# Altium PCB 202101904XB(公开).PcbDoc (part 1 of 6)
Units mil, origin at the board's own origin, x right, y up, seen from the top; angles counter-clockwise.
Board outline 5834.66 x 3390.86 mil, 10 copper layers (Top, GND_02, sig_03, GND04, sig_05, PWR06, GND07, sig_08, GND09, Bottom); 610 components, 281 nets, 2214 pads, 1000 vias.
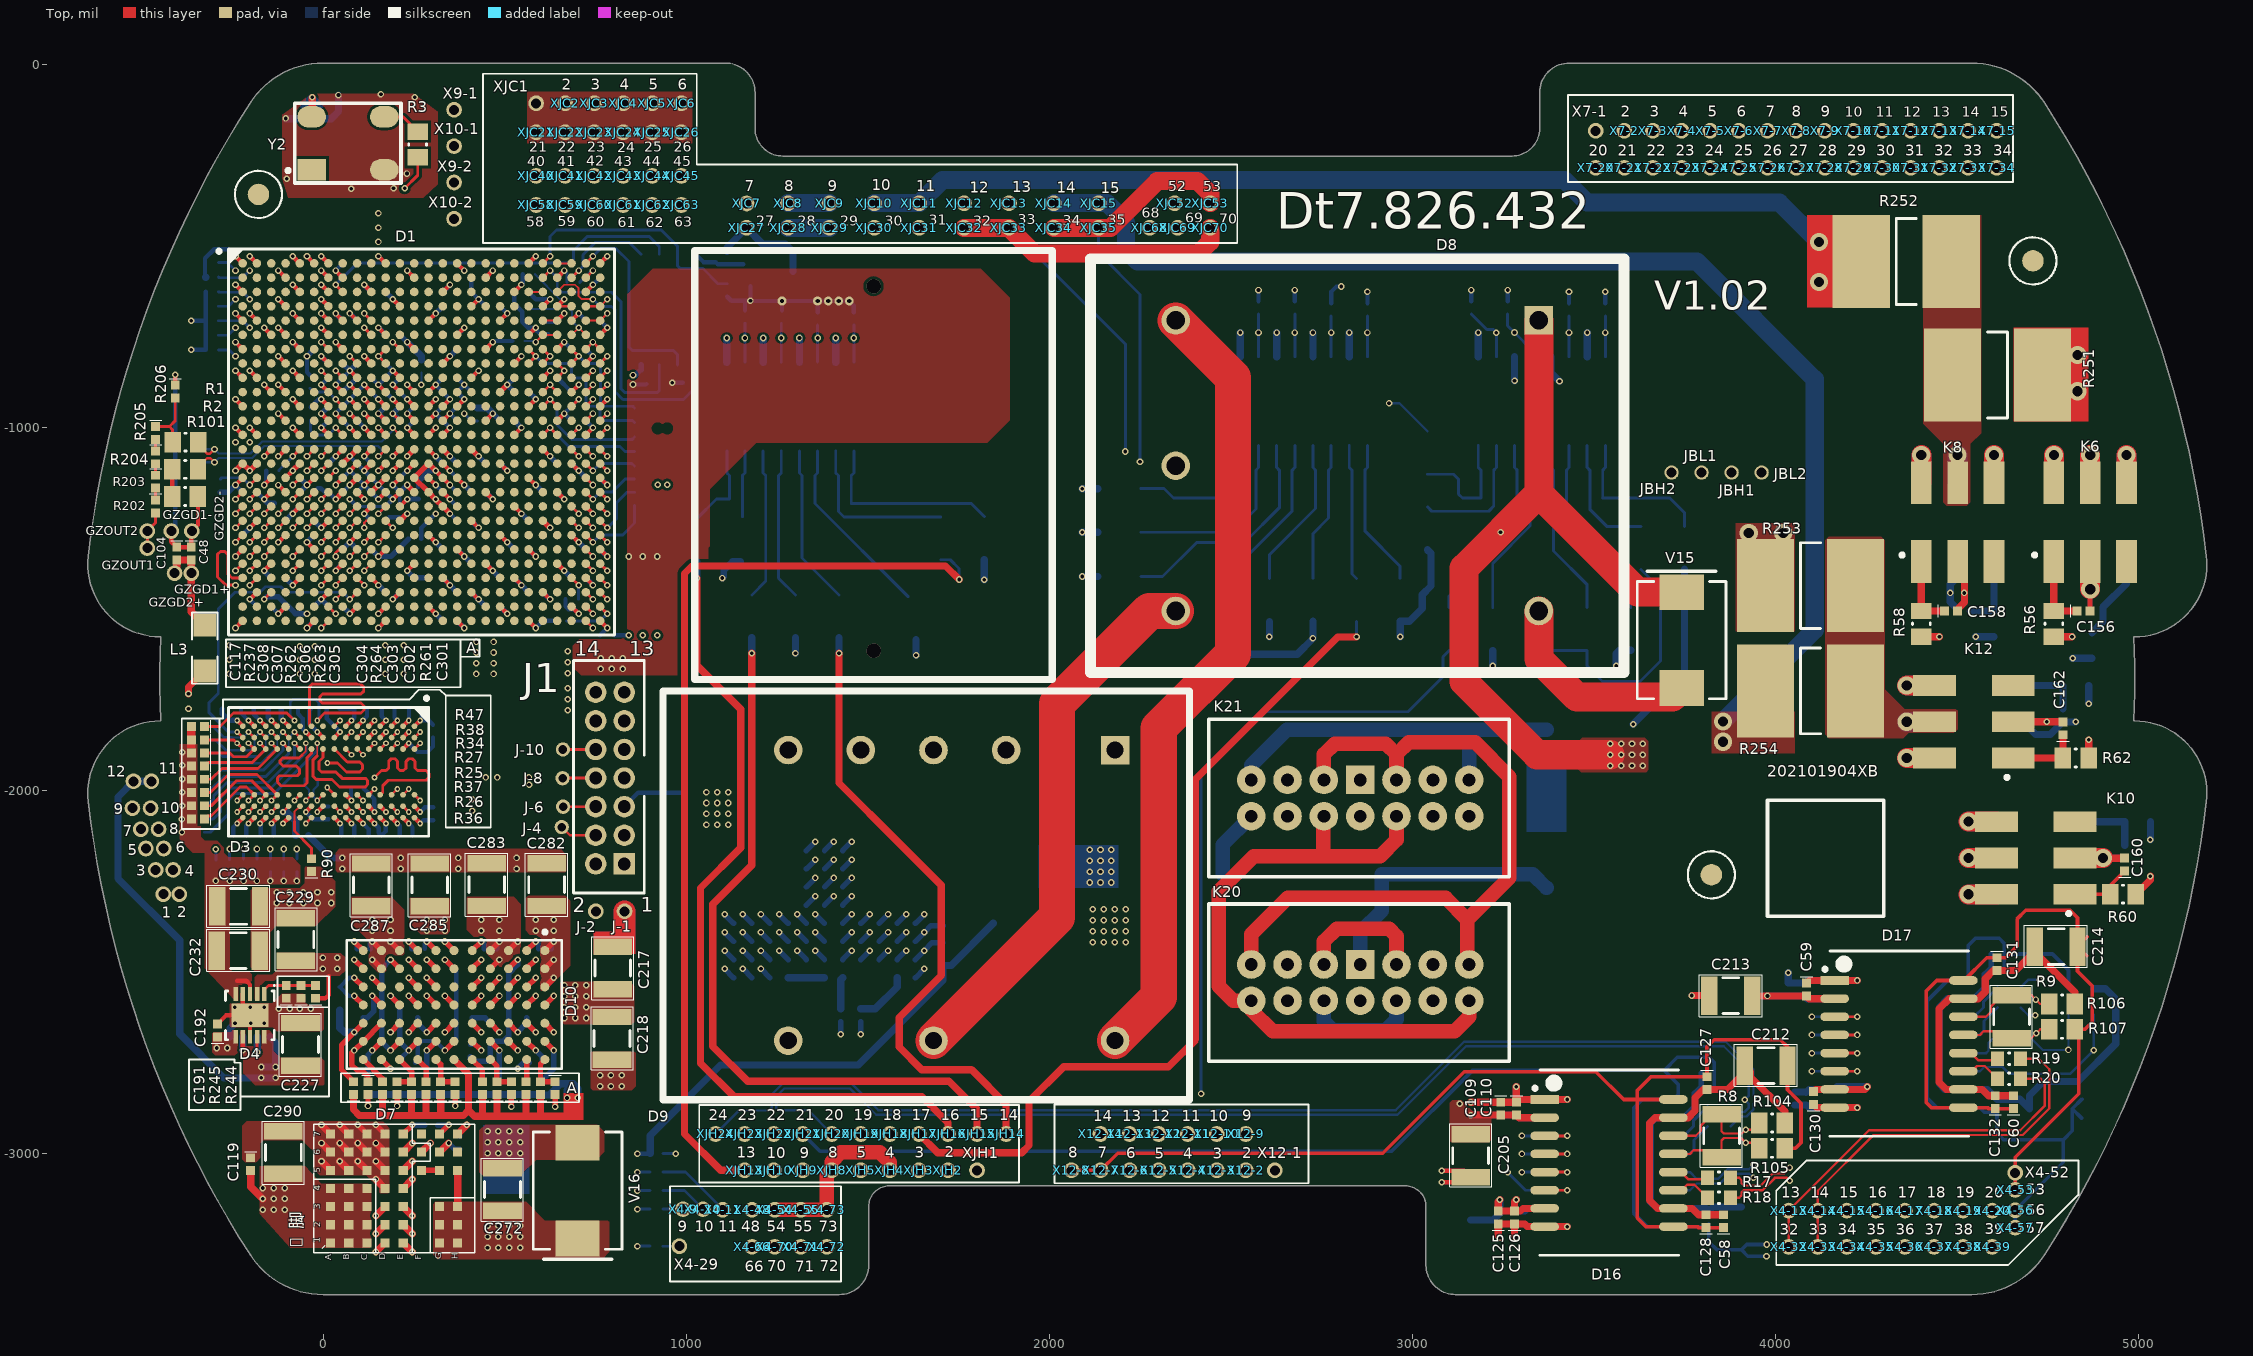
[diagram p0: Top view]
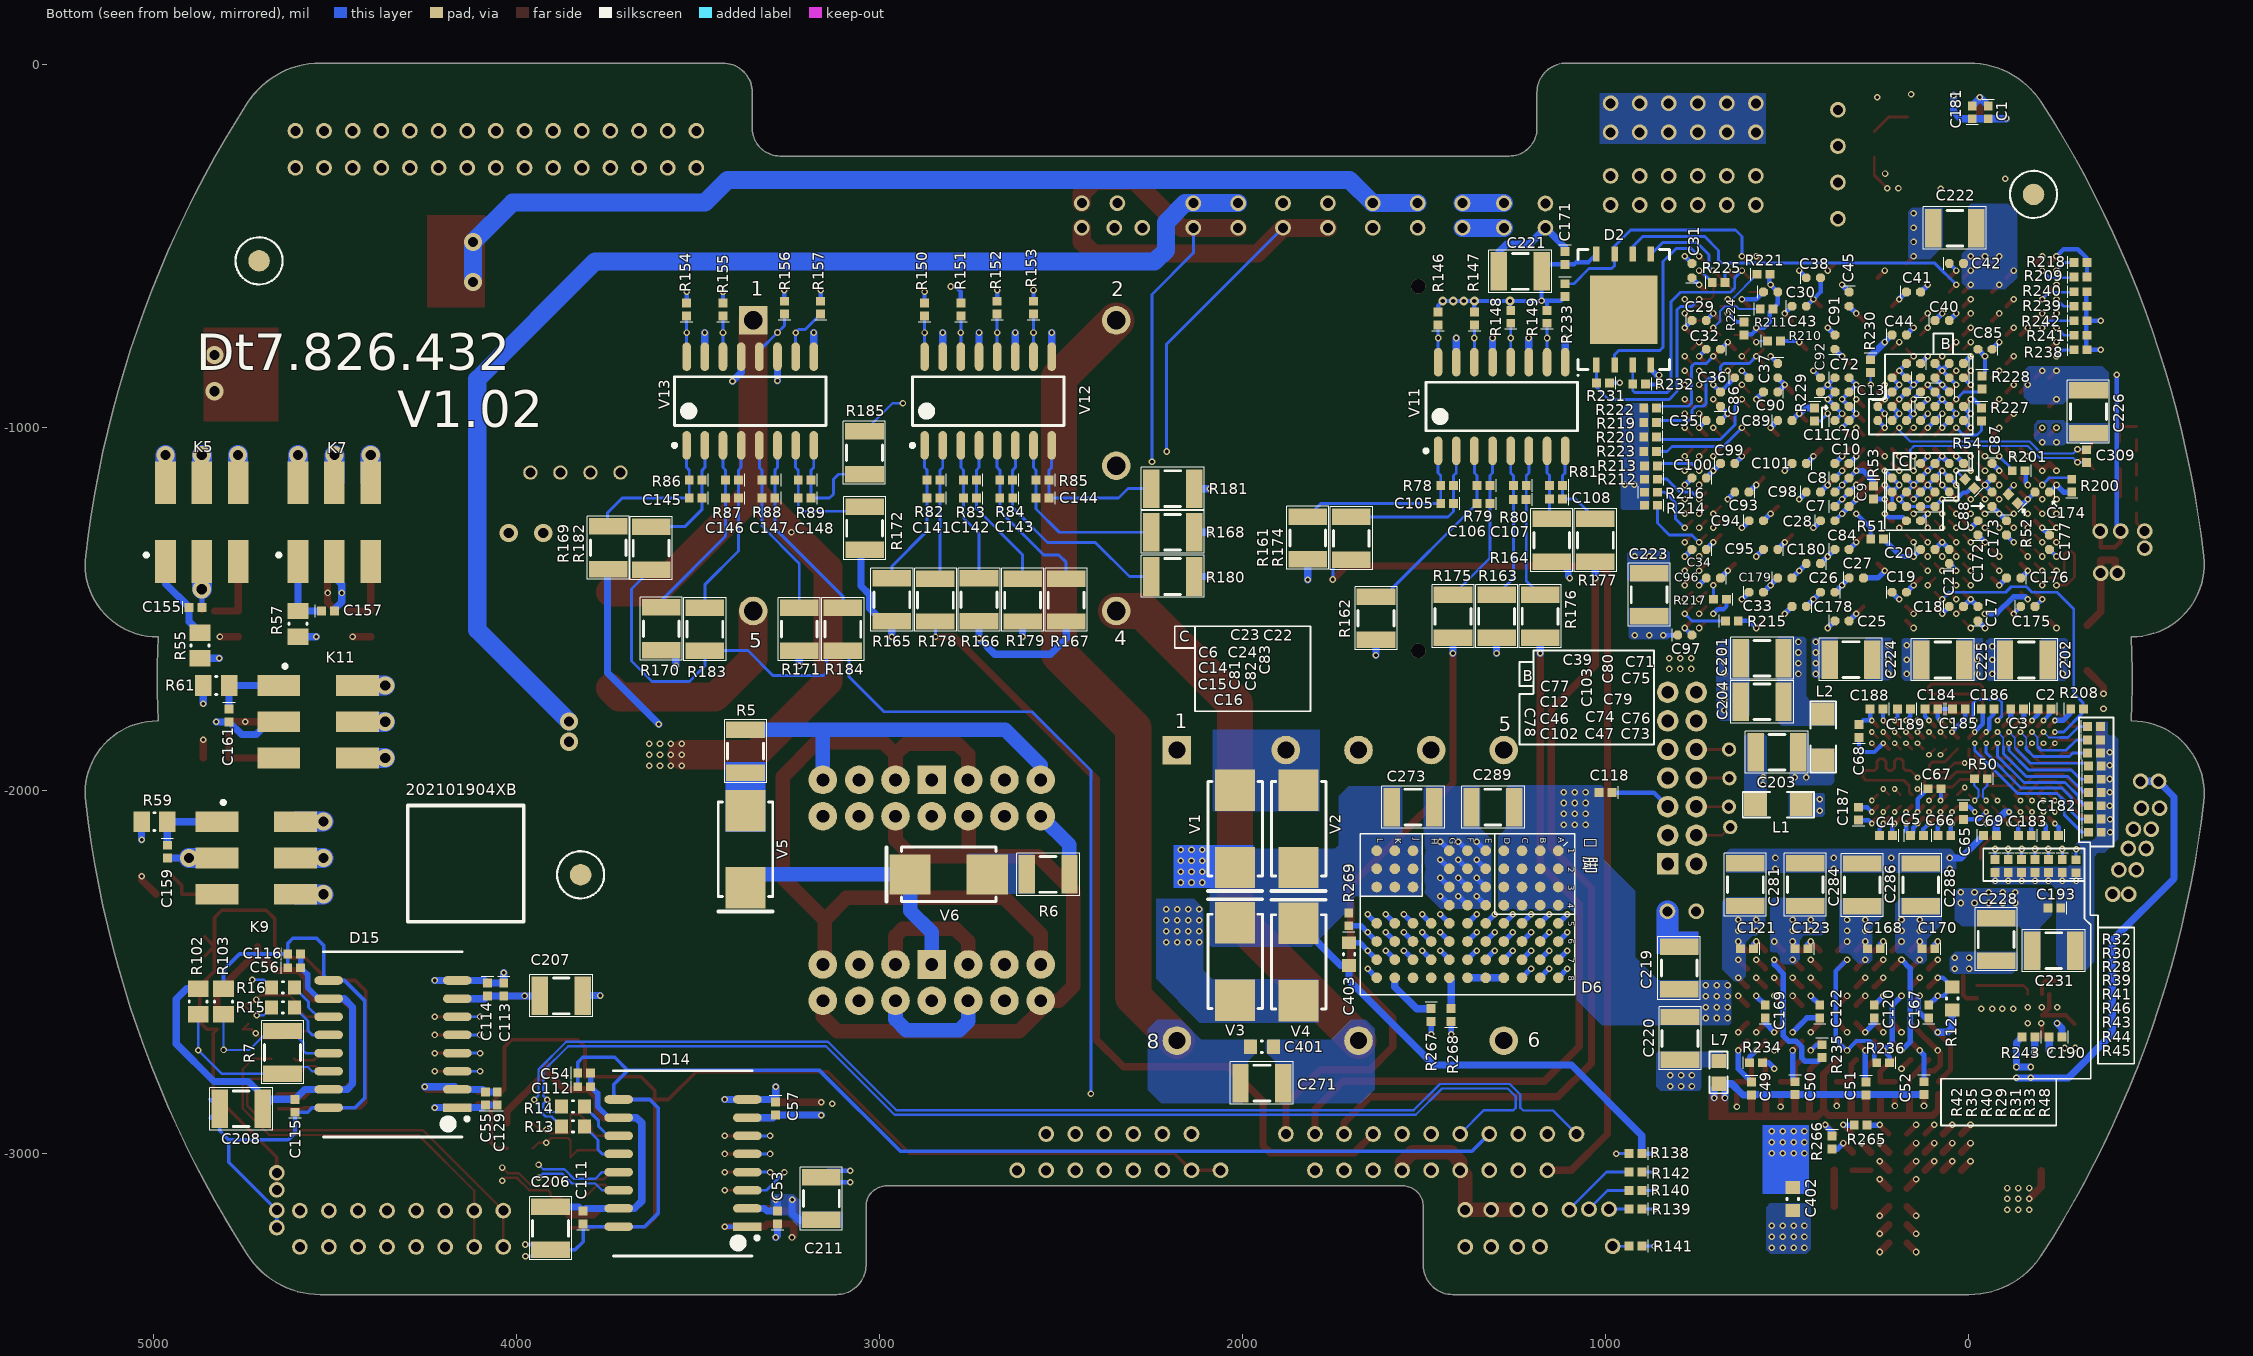
[diagram p1: Bottom view, seen from below]
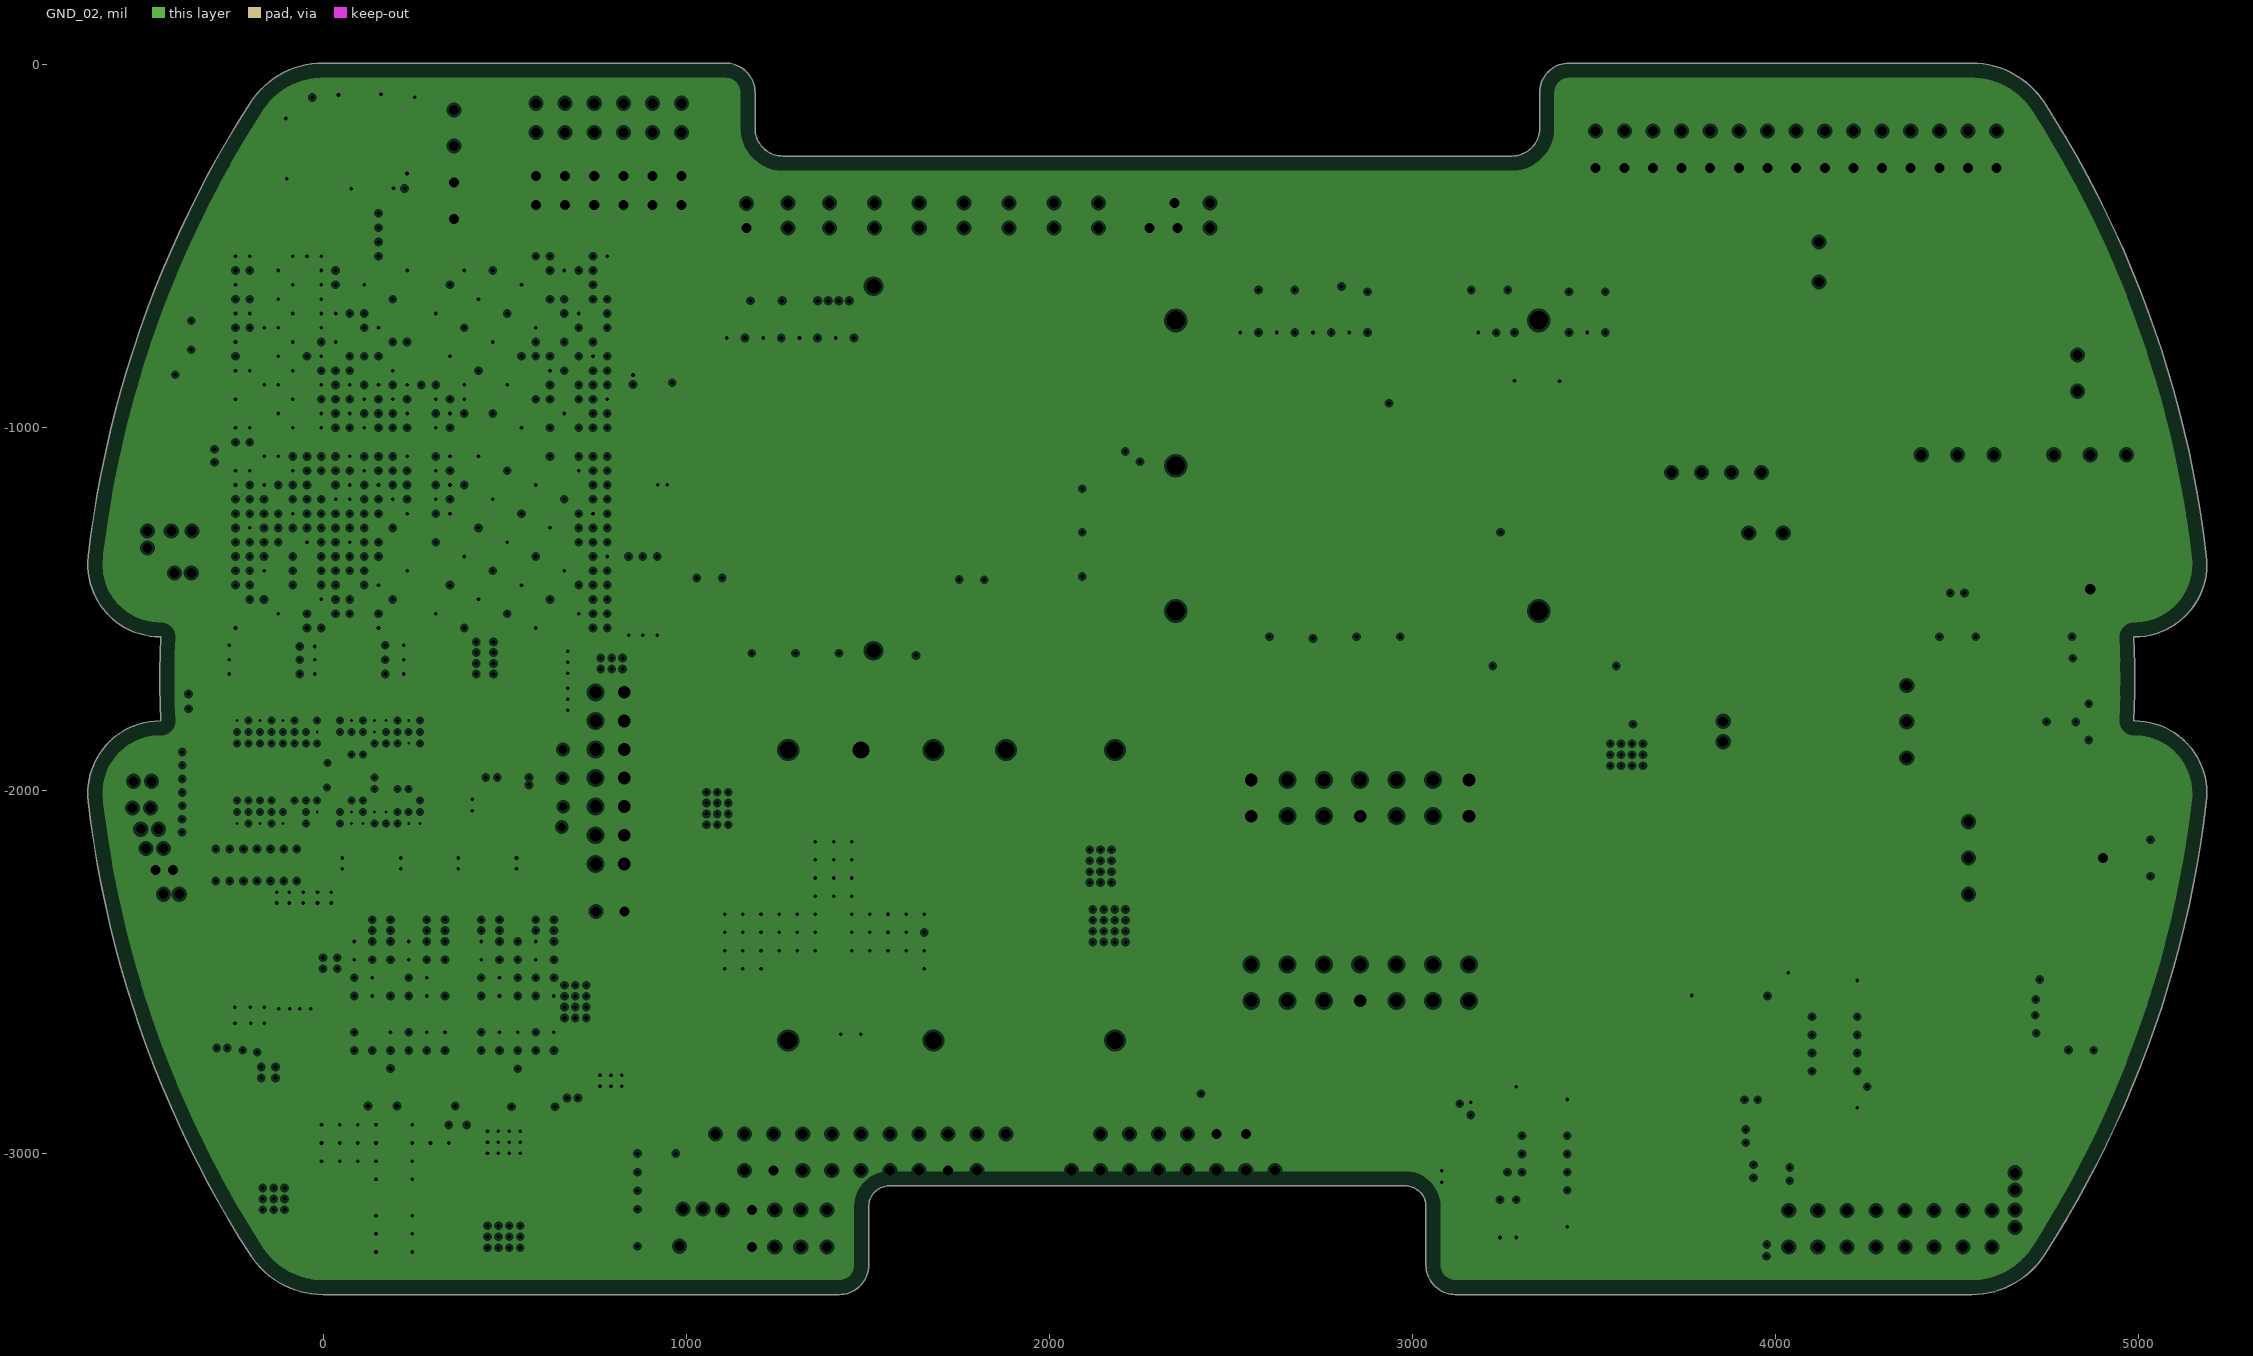
[diagram p2: GND_02, clearances drawn from the general rule]
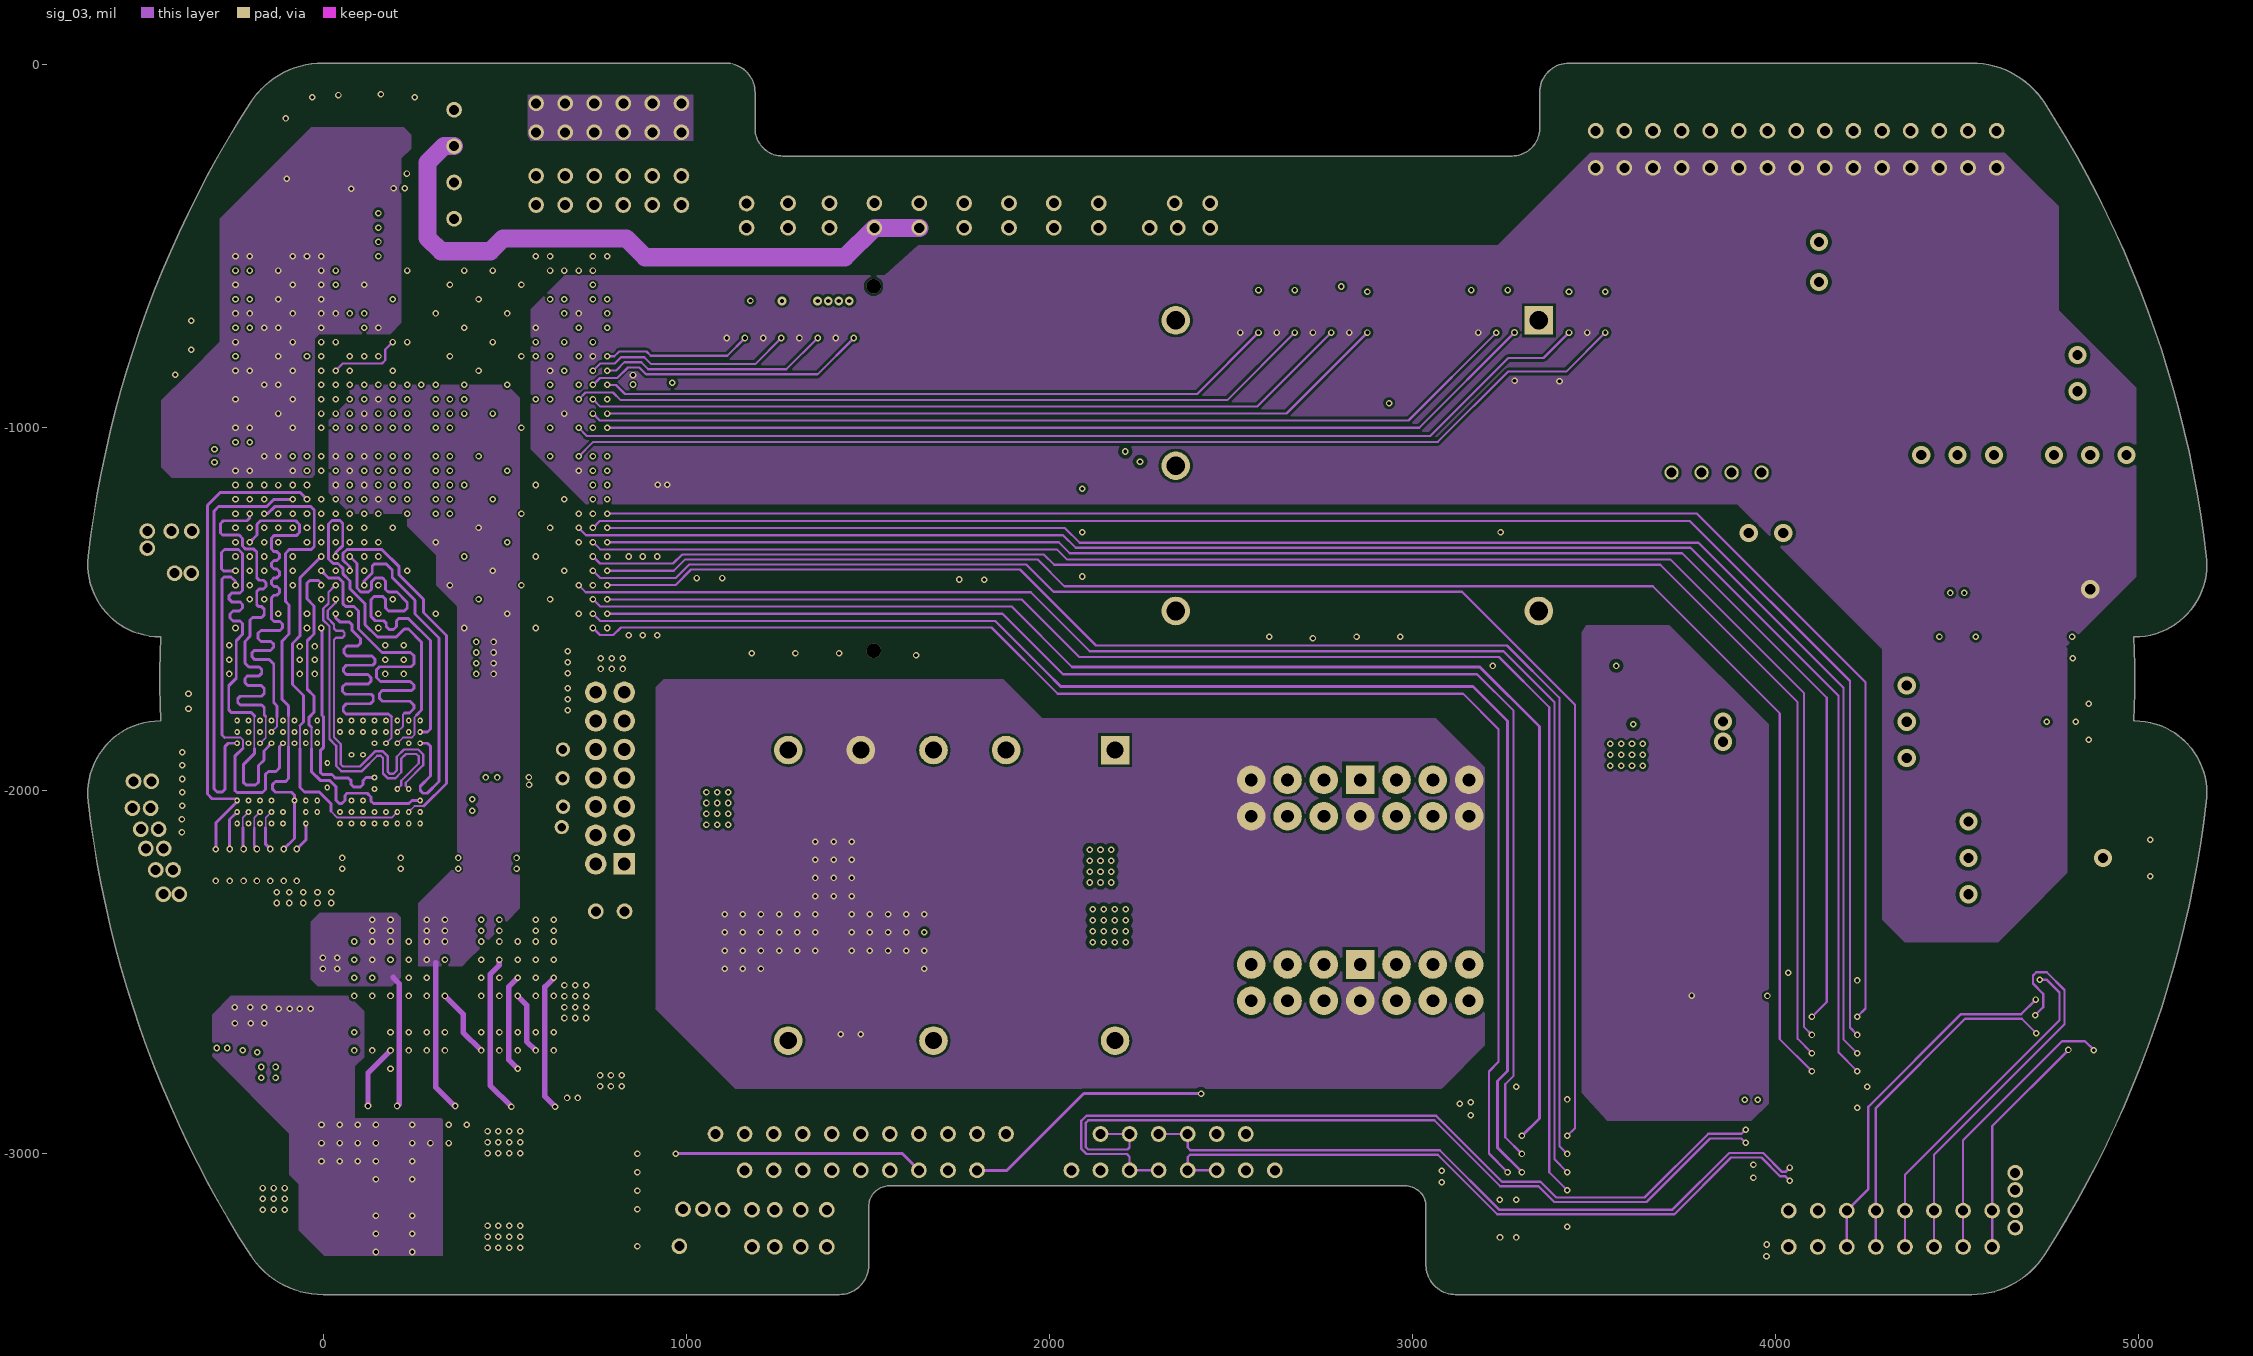
[diagram p3: sig_03]
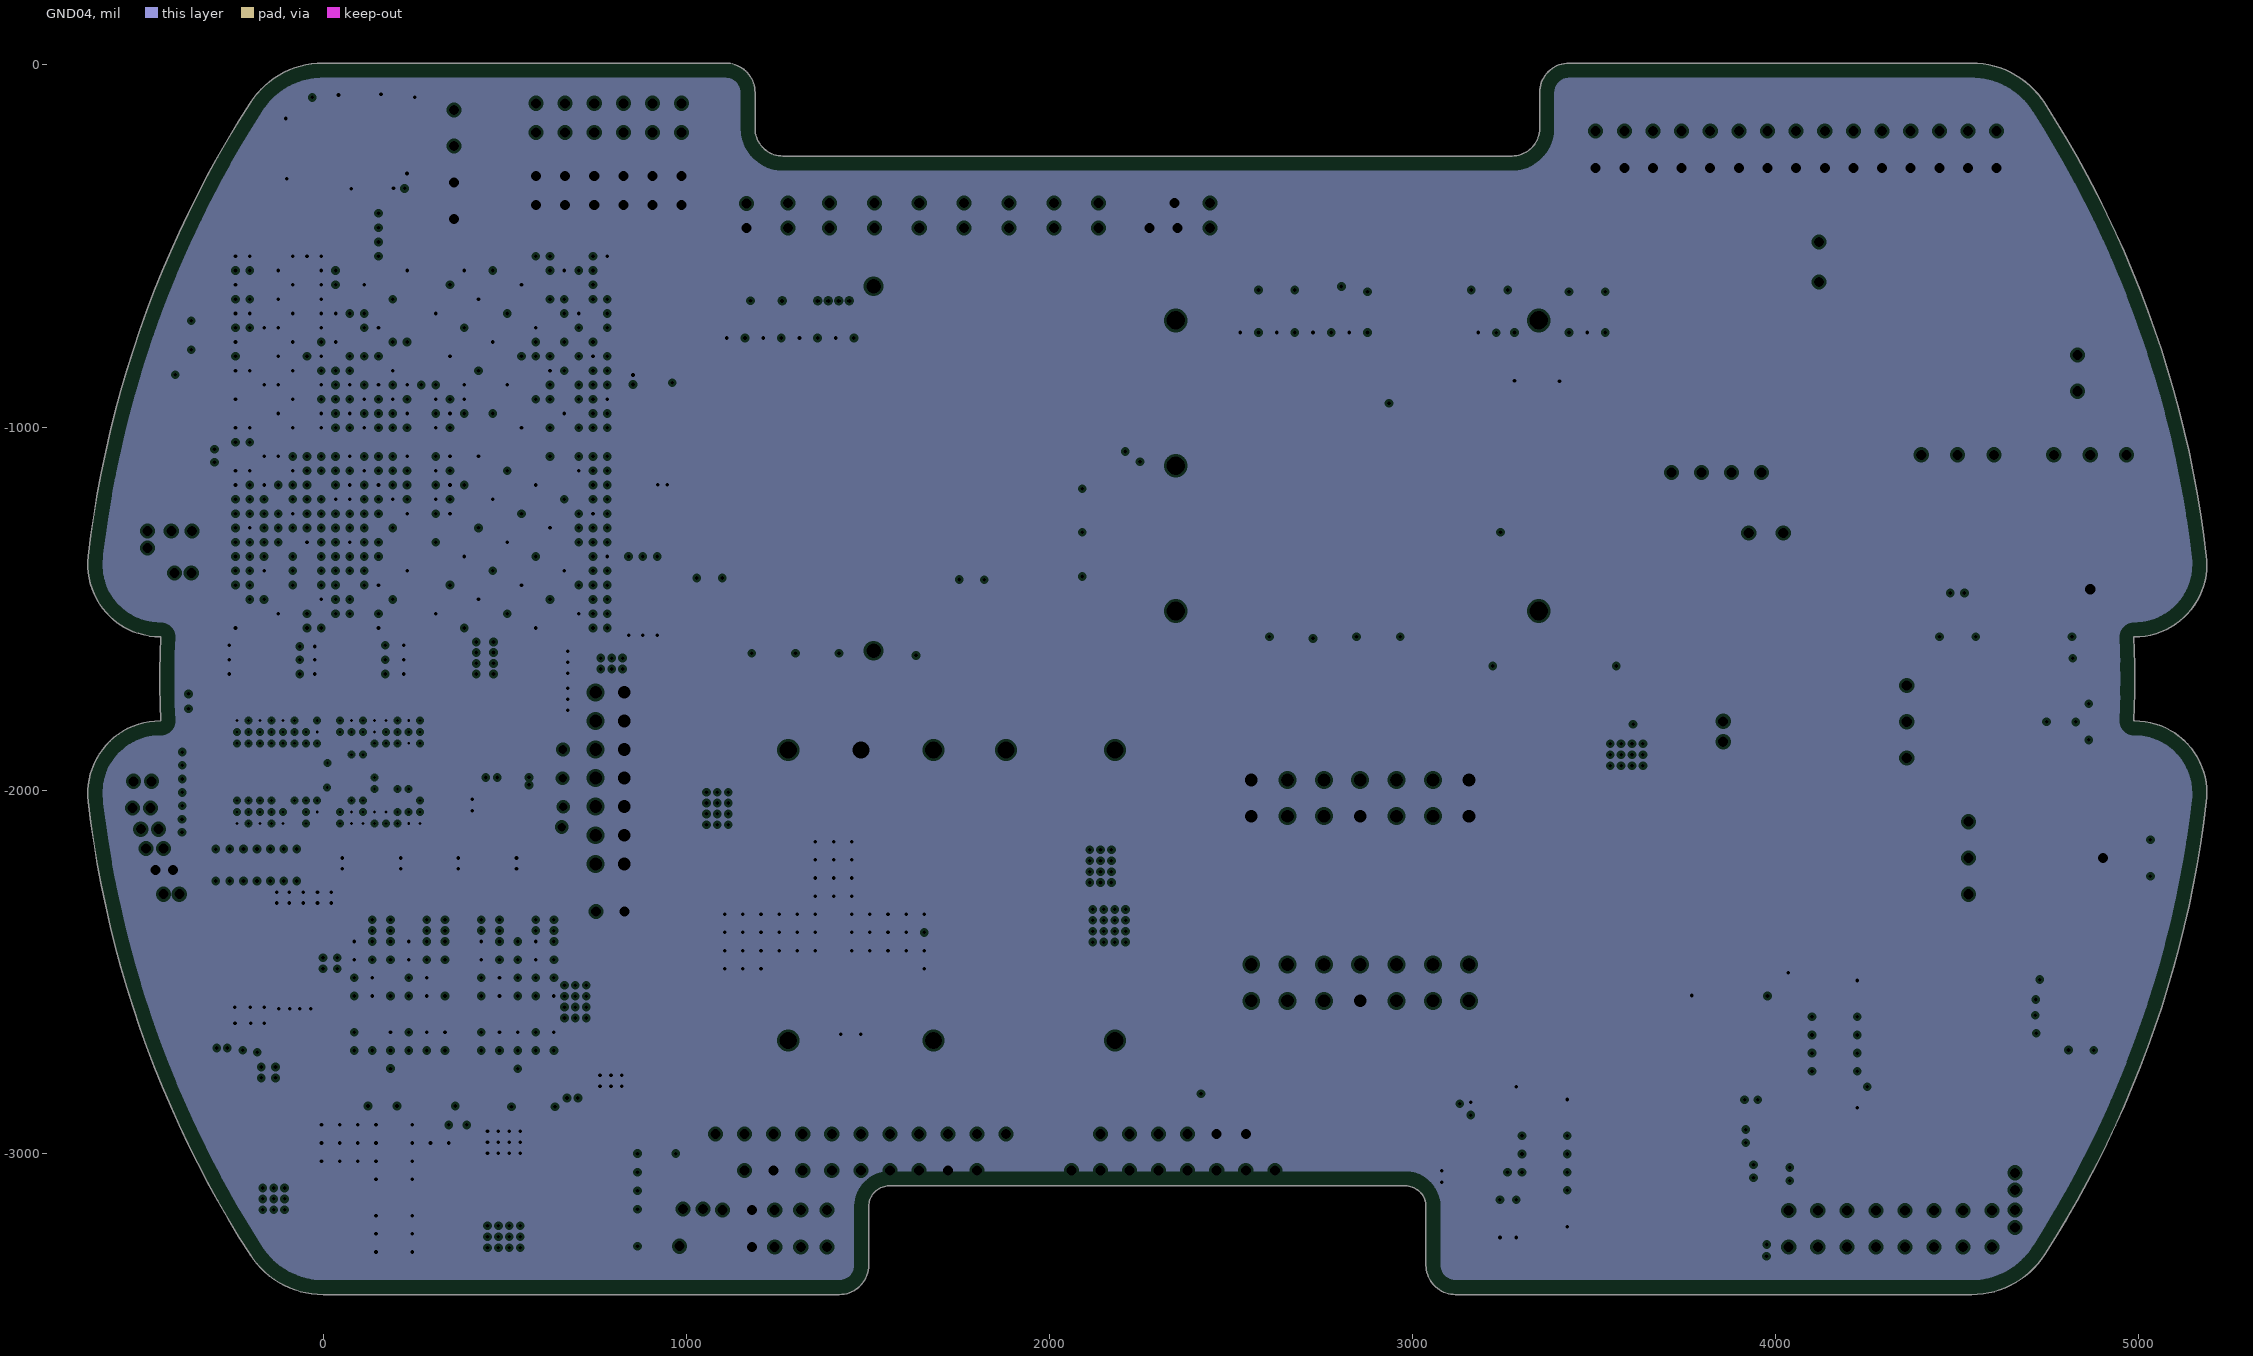
[diagram p4: GND04, clearances drawn from the general rule]